# Altium PCB RTD_12POS_WPSv4.PcbDoc (part 2 of 2)
Units mm, origin at the board's own origin, x right, y up, seen from the top; angles counter-clockwise.
Board outline 122.3 x 122.04 mm, 2 copper layers (Top Layer, Bottom Layer); 346 components, 305 nets, 1347 pads, 0 vias.
Unrouted connection lines stored in the file: 1010.
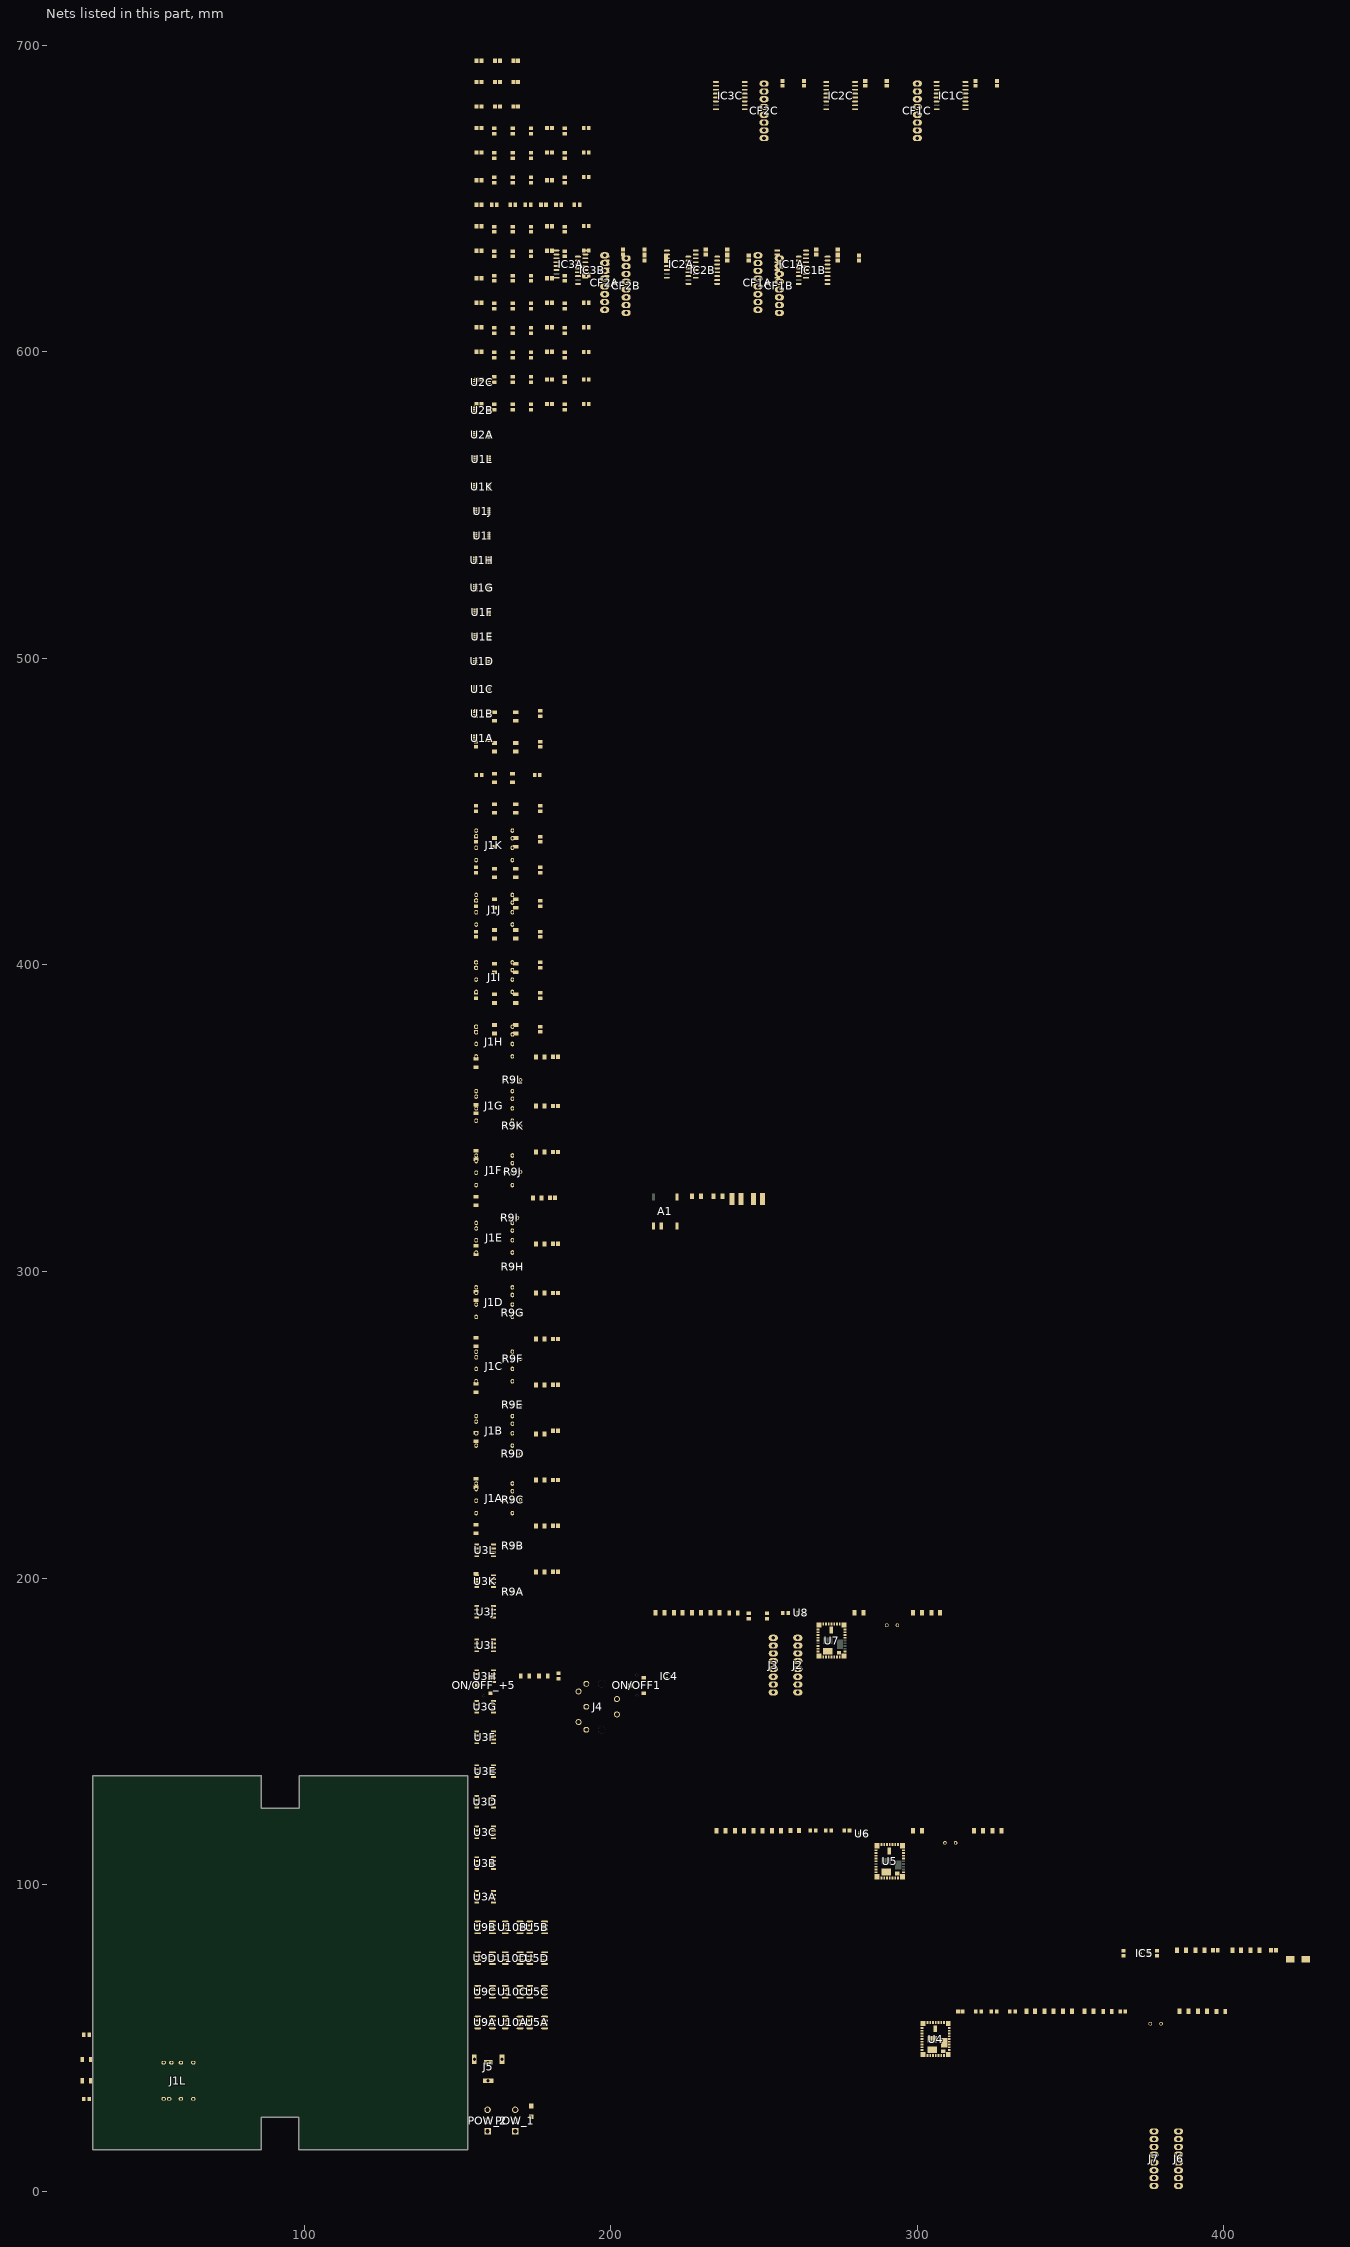
[diagram p2: the nets of this part, all layers, seen from the top]

## Part data
A1: "DC/DC SM 1W 5V-5V SINGLE 4.2KV", Current - Output (Max)=200mA, Device Package="14-SMD Module (5 Leads)", Manufacturer="Murata Power Solutions Inc.", Operating Temperature="-40C ~ 85C", Power (Watts)=1W, Supplier Part Number 1=811-3094-1-ND, Voltage - Input (Max)=5.5V, Voltage - Input (Min)=4.5V, Voltage - Isolation="4.2kV (4200V)", Voltage - Output 1=5V, ComponentLink1Description=Datasheet, ComponentLink1URL=http://power.murata.com/data/power/ncl/kdc_nxj1.pdf, ComponentLink2Description="Digi-Key Listing", ComponentLink2URL=https://www.digikey.com/product-detail/en/murata-power-solutions-inc/NXJ1S0505MC-R7/811-3094-1-ND/5697921, Number Of Outputs=1, PartId=14964, Part Number=NXJ1S0505MC-R7, Price=3.55, Supplier 1=Digi-Key, Type="Isolated Module"
C1A C1B C1C C1D C1E C1F C1G C1H C1I C1J C1K C1L C2A C2B C2C C2D C2E C2F C2G C2H C2I C2J C2K C2L C6A C6B C6C C6D C6E C6F C6G C6H C6I C6J C6K C6L C15A C15B C15C C16A C16B C16C C17A C17B C17C C18A C18B C18C C19A C19B C19C C20A C20B C20C C37 C40: library part CL21B104KACNNNC, "CAP CER 0.1UF 25V X7R 0805", Device Package="0805 (2012 Metric)", Manufacturer="Samsung Electro-Mechanics America, Inc.", Supplier Part Number 1=1276-1099-2-ND, TemperatureCoefficient=X7R, TemperatureRange="-55C ~ 125C", Tolerance=10%, Voltage=25V, ComponentLink1Description=Datasheet, ComponentLink1URL=http://www.samsungsem.com/kr/support/product-search/mlcc/CL21B104KACNNNC.jsp, ComponentLink2Description="Digi-Key listing", ComponentLink2URL=http://digikey.com/product-detail/en/CL21B104KACNNNC/1276-1099-2-ND/3886757, PartId=5699, Part Number=CL21B104KACNNNC, Price=0.0099, Supplier 1=Digi-Key, Type=-
C3A C3B C3C C4A C4B C4C C5A C5B C5C: library part C0805C105J3RACTU, "CAP CER 1UF 25V X7R 0805", Device Package="0805 (2012 Metric)", Manufacturer=Kemet, Supplier Part Number 1=399-10060-2-ND, TemperatureCoefficient=X7R, TemperatureRange="-55C ~ 125C", Tolerance=5%, Voltage=25V, ComponentLink1Description=Datasheet, ComponentLink1URL=http://www.kemet.com/docfinder?Partnumber=C0805C105J3RACTU, ComponentLink2Description="Digi-Key listing", ComponentLink2URL=http://digikey.com/product-detail/en/C0805C105J3RACTU/399-10060-2-ND/2211758, PartId=6145, Part Number=C0805C105J3RACTU, Price=0.355, Supplier 1=Digi-Key, Type=-
C7 C21 C29: library part EEU-FC2A220, "CAP ALUM 22UF 20% 100V RADIAL", Device Package="Radial, Can - TH", Lifetime @ Temp="2000 Hrs @ 105°C", Manufacturer="Panasonic Electronic Components", Ripple Current=169mA, Supplier Part Number 1=P10770-ND, TemperatureRange="-55°C ~ 105°C", Tolerance=20%, Voltage=100V, ComponentLink1Description=Datasheet, ComponentLink1URL=https://industrial.panasonic.com/ww/products/capacitors/aluminum-capacitors/aluminum-cap-lead/fc/EEUFC2A220, ComponentLink2Description="Digi-Key listing", ComponentLink2URL=https://www.digikey.com/product-detail/en/panasonic-electronic-components/EEU-FC2A220/P10770-ND/285722, PartId=7484, Part Number=EEU-FC2A220, Price=0.46, Supplier 1=Digi-Key, Type=Automotive
C8 C9 C22 C23 C30 C31: library part C3216X5R1H475K085AB, "CAP CER 4.7UF 50V X5R 1206", Device Package="1206 (3216 Metric)", Manufacturer="TDK Corporation", Supplier Part Number 1=445-14692-2-ND, TemperatureCoefficient=X5R, TemperatureRange="-55C ~ 85C", Tolerance=10%, Voltage=50V, ComponentLink1Description=Datasheet, ComponentLink1URL=https://product.tdk.com/info/en/catalog/datasheets/mlcc_commercial_general_en.pdf, ComponentLink2Description="Digi-Key Listing", ComponentLink2URL=https://www.digikey.com/product-detail/en/tdk-corporation/C3216X5R1H475K085AB/445-14692-2-ND/3951928, PartId=17022, Part Number=C3216X5R1H475K085AB, Price=0.3159, Supplier 1=Digi-Key
C10 C11 C12 C13 C25 C26 C27 C28 C33 C34 C35 C36 C41 C42: library part CL31A226KAHNNNE, "CAP CER 22UF 25V X5R 1206", Device Package="1206 (3216 Metric)", Manufacturer="Samsung Electro-Mechanics America, Inc.", Supplier Part Number 1=1276-3047-2-ND, TemperatureCoefficient=X5R, TemperatureRange="-55C ~ 85C", Tolerance=10%, Voltage=25V, ComponentLink1Description=Datasheet, ComponentLink1URL=//media.digikey.com/pdf/Data%20Sheets/Samsung%20PDFs/CL31A226KAHNNNE_Spec.pdf, ComponentLink2Description="Digi-Key Listing", ComponentLink2URL=https://www.digikey.com/product-detail/en/samsung-electro-mechanics-america-inc/CL31A226KAHNNNE/1276-3047-2-ND/3888705, PartId=15794, Part Number=CL31A226KAHNNNE, Price=0.1785, Supplier 1=Digi-Key
C14: library part C0805S223K1RAC7800, "CAP CER 0.022UF 100V X7R 0805", Device Package="0805 (2012 Metric)", Manufacturer=Kemet, Supplier Part Number 1=399-13176-2-ND, TemperatureCoefficient=X7R, TemperatureRange="-55C ~ 125C", Tolerance=10%, Voltage=100V, ComponentLink1Description=Datasheet, ComponentLink1URL=http://www.kemet.com/docfinder?Partnumber=C0805S223K1RACTU, ComponentLink2Description="Digi-Key Listing", ComponentLink2URL=https://www.digikey.com/product-detail/en/kemet/C0805S223K1RAC7800/399-13176-2-ND/2213362, PartId=14304, Part Number=C0805S223K1RAC7800, Price=0.071, Supplier 1=Digi-Key
C24 C32 C43: library part CL31B225KCHSNNE, "CAP CER 2.2UF 100V X7R 1206", Device Package="1206 (3216 Metric)", Manufacturer="Samsung Electro-Mechanics America, Inc.", Supplier Part Number 1=1276-3138-2-ND, TemperatureCoefficient=X7R, TemperatureRange="-55C ~ 125C", Tolerance=10%, Voltage=100V, ComponentLink1Description=Datasheet, ComponentLink1URL=http://media.digikey.com/pdf/Data%20Sheets/Samsung%20PDFs/CL31B225KCHSNNE_Spec.pdf, ComponentLink2Description="Digi-Key listing", ComponentLink2URL=http://digikey.com/product-detail/en/CL31B225KCHSNNE/1276-3138-2-ND/3888796, PartId=6260, Part Number=CL31B225KCHSNNE, Price=0.3227, Supplier 1=Digi-Key, Type=-
C38 C39: library part C1206C106M3RACTU, "CAP CER 10UF 25V X7R 1206", Device Package="1206 (3216 Metric)", Manufacturer=Kemet, Supplier Part Number 1=399-7443-2-ND, TemperatureCoefficient=X7R, TemperatureRange="-55C ~ 125C", Tolerance=20%, Voltage=25V, ComponentLink1Description=Datasheet, ComponentLink1URL=http://www.kemet.com/docfinder?Partnumber=C1206C106M3RACTU, ComponentLink2Description="Digi-Key listing", ComponentLink2URL=http://digikey.com/product-detail/en/C1206C106M3RACTU/399-7443-2-ND/3317649, PartId=6235, Part Number=C1206C106M3RACTU, Price=0.2272, Supplier 1=Digi-Key, Type=-
C44: library part CL31B475KPHNNNE, "CAP CER 4.7UF 10V X7R 1206", Device Package="1206 (3216 Metric)", Manufacturer="Samsung Electro-Mechanics America, Inc.", Supplier Part Number 1=1276-1133-2-ND, TemperatureCoefficient=X7R, TemperatureRange="-55C ~ 125C", Tolerance=10%, Voltage=10V, ComponentLink1Description=Datasheet, ComponentLink1URL=http://www.samsungsem.com/kr/front/downloadcms.do?path=/kr/support/product-search/mlcc/__icsFiles/afieldfile/2014/11/05&fileName=C_CL31B475KPHNNNE.pdf, ComponentLink2Description="Digi-Key Listing", ComponentLink2URL=https://www.digikey.com/product-detail/en/samsung-electro-mechanics-america-inc/CL31B475KPHNNNE/1276-1133-2-ND/3886791, PartId=17410, Part Number=CL31B475KPHNNNE, Price=0.0761, Supplier 1=Digi-Key
CF1A CF1B CF1C CF2A CF2B CF2C J2 J3 J6 J7: "CONN HEADER 8POS .100 VERT TIN", Colour=Natural, Manufacturer="Molex, LLC", Supplier Part Number 1=WM4117-ND, ComponentLink1Description=Datasheet, ComponentLink1URL=http://www.molex.com/pdm_docs/sd/022272081_sd.pdf, ComponentLink2Description="Digi-Key Listing", ComponentLink2URL=http://www.digikey.com/product-search/en?keywords=22-27-2081, Contact Finish=Tin, Fastening Type="Friction Lock", Number Of Positions=8, Number Of Rows=1, PartId=9725, Part Number=0022272081, Pitch="0.100\" (2.54mm)", Price=0.55, Series="KK 6410", Supplier 1=Digi-Key, System=Connector, Type="Header, Unshrouded"
D1: "Typical RED, GREEN, YELLOW, AMBER GaAs LED", LatestRevisionDate=17-Jul-2002, LatestRevisionNote="Re-released for DXP Platform.", PackageDescription="SM LED; 2 Flat Leads", PackageReference=3.2X1.6X1.1, PackageVersion=Feb-2002, Published=8-Jun-2000, Publisher="Altium Limited"
IC1A IC1B IC1C IC2A IC2B IC2C IC3A IC3B IC3C: "DGTL ISO 5KV 4CH GEN PURP 16SOIC", Device Package="16-SOIC (0.295\", 7.50mm Width)", Isolated Power=No, Manufacturer="Silicon Labs", Operating Temperature="-40C ~ 125C", Supplier Part Number 1=336-2083-5-ND, Voltage - Isolation=5000Vrms, Voltage - Supply="2.5 V ~ 5.5 V", Channel Type=Unidirectional, Common Mode Transient Immunity (Min)=35kV/us, ComponentLink1Description=Datasheet, ComponentLink1URL=http://www.silabs.com/Support%20Documents/TechnicalDocs/Si864x.pdf, ComponentLink2Description="Digi-Key Listing", ComponentLink2URL=https://www.digikey.com/product-detail/en/silicon-labs/SI8640BD-B-IS/336-2083-5-ND/2623331, Data Rate=150Mbps, Inputs - Side 1/Side2=4/0, Number of Channels=4, PartId=14404, Part Number=SI8640BD-B-IS, Price=5.01, Propagation Delay tpLH/tpHL (Max)="13ns, 13ns", Pulse Width Distortion (Max)=4.5ns, Rise / Fall Time (Typ)="2.5ns, 2.5ns", Supplier 1=Digi-Key, Technology="Capacitive Coupling", Type="General Purpose"
IC4: "MOSFET N-CH 60V 280MA SOT-323", Current Continuous Drain="280mA (Ta)", Device Package="SC-70, SOT-323", Drain to Source Voltage (Vdss)=60V, Input Capacitance (Ciss) at Vds="43pF @ 25V", Manufacturer="Infineon Technologies", Power - Max=500mW, Supplier Part Number 1=BSS138WH6327XTSA1TR-ND, ComponentLink1Description=Datasheet, ComponentLink1URL=http://www.infineon.com/dgdl/Infineon-BSS138W-DS-v02_43-en.pdf?fileId=db3a304335113a6301351e62fcb4131f, ComponentLink2Description="Digi-Key Listing", ComponentLink2URL=http://www.digikey.com/product-detail/en/BSS138WH6327XTSA1/BSS138WH6327XTSA1TR-ND/5410120, Features="Logic Level Gate", Gate Charge (Qg)="1.5nC @ 10V", PartId=8084, Part Number=BSS138WH6327XTSA1, Price=0.0483, Rds On (Max) at Id, Vgs="3.5 Ohm @ 200mA, 10V", Supplier 1=Digi-Key, Type="MOSFET N-Channel, Metal Oxide", Vgs(th) (Max) at Id="1.4V @ 26uA"
IC5: "IC REG BUCK ADJ 3A SYNC", Current Output=3A, Device Package="SOT-23-6 Thin, TSOT-23-6", Frequency - Switching=580kHz, Manufacturer="Texas Instruments", Operating Temperature="-45C ~ 125C (TJ)", Supplier Part Number 1=296-43393-2-ND, Voltage - Input (Max)=17V, Voltage - Input (Min)=4.5V, Voltage - Output (Max)=7V, Voltage - Output (Min/Fixed)=0.768V, ComponentLink1Description=Datasheet, ComponentLink1URL=http://www.ti.com/lit/ds/symlink/tps563201.pdf, ComponentLink2Description="Digi-Key Listing", ComponentLink2URL=http://www.digikey.com/product-detail/en/texas-instruments/TPS563201DDCT/296-43393-2-ND/5813458, Function=Step-Down, Number Of Outputs=1, Output Configuration=Positive, Output Type=Adjustable, PartId=16367, Part Number=TPS563201DDCT, Price=0.8901, Series="D-CAP2, Eco-Mode", Supplier 1=Digi-Key, Synchronous Rectifier=Yes, Topology=Buck, Type="DC DC Switching Regulators"
J1A J1B J1C J1D J1E J1F J1G J1H J1I J1J J1K J1L: library part CMP-1692-00003-1, "Female Mid Mount Audio Jack, 6 Position, Height 2.55 mm, Tail Length 2 mm, -25 to 85 degC, RoHS, Tape and Reel", Case/Package=Axial, Current Rating="7 A", Max Operating Temperature=85degC, Min Operating Temperature=-40degC, Package Quantity=500, ComponentLink1Description="Manufacturer URL", ComponentLink1URL=http://www.cui.com/, ComponentLink2Description=Datasheet, ComponentLink2URL=http://www.cui.com/product/resource/sj-3506-smt.pdf, DatasheetVersion="Rev. 1.01, 11/2012", Diameter="3.6 mm", Height="3.6 mm", Impedance="50 Ohm", Length="5 mm", Mount="Through Hole", PackageDescription="Female Mid Mount Audio Jack, 6 Position, Height 2.55 mm, Tail Length 2 mm", PackageReference=SJ-3506-SMT-TR, Packaging=Bulk, Pins=2, Radiation Hardening=No, REACH SVHC="No SVHC", RoHSCompliant=True, Width="3.6 mm"
J4: "CONN RCPT FMALE DIN 5POS SOLDER", Colour=Black, Manufacturer="CUI Inc.", Supplier Part Number 1=CP-2350-ND, ComponentLink1Description=Datasheet, ComponentLink1URL=https://media.digikey.com/pdf/Data%20Sheets/CUI%20Inc%20All%20Brands%20PDFs/SDS-J.pdf, ComponentLink2Description="Digi-Key Listing", ComponentLink2URL=https://www.digikey.com/product-detail/en/cui-inc/SDS-50J/CP-2350-ND/97033, Contact Finish=Tin, Fastening Type=Push-Pull, Number Of Positions=5, Number Of Rows=-, PartId=16458, Part Number=SDS-50J, Pitch=-, Price=1.86, Supplier 1=Digi-Key, Type="Receptacle, Female Sockets"
J5: library part CMP-2000-06898-1, "Through Hole Right Angle DC Power Jack, 8 A, 2 mm Center Pin, 2 Position, -25 to 85 degC, RoHS, Bulk", Current Rating=8A, Flammability Rating=UL94V-0, Insulation Resistance=100MOhms, Manufacturer=CUIInc., Operating Temperature Range=-25Cto+85C, Package Description="2-Pin Through Hole Device, Body 13 x 10 mm, Height 9 mm", Voltage Rating=24V, Brand=CUI, Connector Type=DCPowerJack, Contact Gender=Male, Contact Material=Copper, Contact Plating=Nickel, Datasheet URL=http://www.cui.com/product/resource/pj-063ah.pdf, Datasheet Version="Rev. 1.02, 03/2016", Factory Pack Quantity=500, Housing Material=PolybutyleneTerephthalate(PBT), Inside Contact Diameter=2mm, Manufacturer URL=http://www.cui.com/, Mounting Angle=Right, Mounting Style=KinkedPin, Mounting Technology=ThroughHole, Outside Contact Diameter=6.5mm, Package Reference=PJ-063AH, Product=Jacks, Product Category=DCPowerConnectors, RoHS=True, Termination Style=ThroughHole
L1: library part 744314330, "FIXED IND 3.3UH 9A 9 MOHM SMD", Current Rating=9A, DC Resistance (DCR)="9 mOhm", Device Package=Nonstandard, Frequency - Self Resonant=65MHz, Manufacturer="Wurth Electronics Inc", Operating Temperature="-40C ~ 150C", Q @ Freq=-, Supplier Part Number 1=732-1160-2-ND, Tolerance=20%, ComponentLink1Description=Datasheet, ComponentLink1URL=http://katalog.we-online.de/pbs/datasheet/744314330.pdf, ComponentLink2Description="Digi-Key Listing", ComponentLink2URL=https://www.digikey.com/product-detail/en/744314330/732-1160-2-ND/1638565, Inductance=3.3uH, PartId=9675, Part Number=744314330, Price=2.85, Series=WE-HCI, Shielding=Shielded, Supplier 1=Digi-Key, Type=Wirewound
L2: "FIXED IND 4.7UH 1.43A 87 MOHM", Current - Saturation=1.43A, DC Resistance (DCR)="87 mOhm Max", Device Package=Nonstandard, Inductance=4.7uH, Manufacturer="TDK Corporation", Operating Temperature="-40C ~ 105C", Supplier Part Number 1=445-8737-2-ND, Tolerance=30%, ComponentLink1Description=Datasheet, ComponentLink1URL=https://product.tdk.com/info/en/catalog/datasheets/inductor_commercial_power_vlcf4024-2_en.pdf, ComponentLink2Description="Digi-Key Listing", ComponentLink2URL=https://www.digikey.com/product-detail/en/tdk-corporation/VLCF4024T-4R7N1R4-2/445-8737-2-ND/3083279, Current Rating=1.43A, Material - Core=Ferrite, PartId=16432, Part Number=VLCF4024T-4R7N1R4-2, Price=0.441, Series=VLCF, Shielding=Shielded, Supplier 1=Digi-Key, Type=Wirewound
L3: "FIXED IND 10UH 900MA 136 MOHM", Current - Saturation=900mA, DC Resistance (DCR)="136 mOhm Max", Device Package=Nonstandard, Inductance=10uH, Manufacturer="TDK Corporation", Operating Temperature="-40C ~ 105C", Supplier Part Number 1=445-8727-2-ND, Tolerance=20%, ComponentLink1Description=Datasheet, ComponentLink1URL=https://product.tdk.com/info/en/catalog/datasheets/inductor_commercial_power_vlcf4024-2_en.pdf, ComponentLink2Description="Digi-Key Listing", ComponentLink2URL=https://www.digikey.com/product-detail/en/tdk-corporation/VLCF4024T-100MR90-2/445-8727-2-ND/3083281, Current Rating=900mA, Material - Core=Ferrite, PartId=16429, Part Number=VLCF4024T-100MR90-2, Price=0.441, Series=VLCF, Shielding=Shielded, Supplier 1=Digi-Key, Type=Wirewound
ON/OFF1 ON/OFF_+5: "SWITCH SLIDE SPDT 200MA 12V", Manufacturer="Nidec Copal Electronics", Operating Temperature="-40°C ~ 85°C", Supplier Part Number 1=563-1318-1-ND, Actuator Type=Standard, Circuit=SPDT, ComponentLink1Description=Datasheet, ComponentLink1URL=https://www.nidec-copal-electronics.com/e/catalog/switch/cl-sb.pdf, ComponentLink2Description="Digi-Key Listing", ComponentLink2URL=https://www.digikey.com/product-detail/en/nidec-copal-electronics/CL-SB-12B-01T/563-1318-1-ND/3507878, Mechanical Life="10,000 Cycles", PartId=16472, Part Number=CL-SB-12B-01T, Price=0.9, Series=CL-SB, Supplier 1=Digi-Key, Switch Function=On-On, Switch Travel=2.00mm, Type="Slide Switches"
POW_1 POW_2: library part CMP-1502-01784-1, "Serie 3211 - 3.50mm Vertical PCB Header WR-TBL, 3 pin", Manufacturer="Wurth Elektronik", Operating Temperature=-40to105degC, Datasheet URL=http://katalog.we-online.de/em/datasheet/6913211000xx.pdf, Gender=Male, Manufacturer URL=http://www.we-online.de, Mounting Technology=THT, Package Reference=691321100003, Packaging=Box, Part Number=691321100003, Pin Number=3, Pitch=3.50mm, Publisher=WurthElektronik
R1A R1B R1C R1D R1E R1F R1G R1H R1I R1J R1K R1L R2A R2B R2C R2D R2E R2F R2G R2H R2I R2J R2K R2L: library part ERA-6AEB4991V, "RES SMD 4.99K OHM 0.1% 1/8W 0805", Device Package="0805 (2012 Metric)", Manufacturer="Panasonic Electronic Components", PowerRating="0.125W, 1/8W", Supplier Part Number 1=P4.99KDATR-ND, TemperatureCoefficient=25ppm/C, TemperatureRange="-55C ~ 155C", Tolerance=0.1%, ComponentLink1Description=Datasheet, ComponentLink1URL=http://industrial.panasonic.com/lecs/www-data/pdf/AOA0000/AOA0000CE26.pdf, ComponentLink2Description="Digi-Key listing", ComponentLink2URL=http://digikey.com/product-detail/en/ERA-6AEB4991V/P4.99KDATR-ND/2025726, PartId=2457, Part Number=ERA-6AEB4991V, Price=0.0653, Supplier 1=Digi-Key, Type="Thin Film"
R3A R3B R3C R3D R3E R3F R3G R3H R3I R3J R3K R3L: library part ERA-6AEB1180V, "RES SMD 118 OHM 0.1% 1/8W 0805", Device Package="0805 (2012 Metric)", Manufacturer="Panasonic Electronic Components", PowerRating="0.125W, 1/8W", Supplier Part Number 1=P118DATR-ND, TemperatureCoefficient=25ppm/C, TemperatureRange="-55C ~ 155C", Tolerance=0.1%, ComponentLink1Description=Datasheet, ComponentLink1URL=http://industrial.panasonic.com/lecs/www-data/pdf/AOA0000/AOA0000CE26.pdf, ComponentLink2Description="Digi-Key listing", ComponentLink2URL=http://digikey.com/product-detail/en/ERA-6AEB1180V/P118DATR-ND/2025579, PartId=2788, Part Number=ERA-6AEB1180V, Price=0.0653, Supplier 1=Digi-Key, Type="Thin Film"
R4A R4B R4C R4D R4E R4F R4G R4H R4I R4J R4K R4L: library part ERA-6AEB1070V, "RES SMD 107 OHM 0.1% 1/8W 0805", Device Package="0805 (2012 Metric)", Manufacturer="Panasonic Electronic Components", PowerRating="0.125W, 1/8W", Supplier Part Number 1=P107DATR-ND, TemperatureCoefficient=25ppm/C, TemperatureRange="-55C ~ 155C", Tolerance=0.1%, ComponentLink1Description=Datasheet, ComponentLink1URL=http://industrial.panasonic.com/lecs/www-data/pdf/AOA0000/AOA0000CE26.pdf, ComponentLink2Description="Digi-Key listing", ComponentLink2URL=http://digikey.com/product-detail/en/ERA-6AEB1070V/P107DATR-ND/2025576, PartId=2810, Part Number=ERA-6AEB1070V, Price=0.0653, Supplier 1=Digi-Key, Type="Thin Film"
R5A R5B R5C R5D R5E R5F R5G R5H R5I R5J R5K R5L: library part ERA-6AEB1022V, "RES SMD 10.2K OHM 0.1% 1/8W 0805", Device Package="0805 (2012 Metric)", Manufacturer="Panasonic Electronic Components", PowerRating="0.125W, 1/8W", Supplier Part Number 1=P10.2KDATR-ND, TemperatureCoefficient=25ppm/C, TemperatureRange="-55C ~ 155C", Tolerance=0.1%, ComponentLink1Description=Datasheet, ComponentLink1URL=http://industrial.panasonic.com/lecs/www-data/pdf/AOA0000/AOA0000CE26.pdf, ComponentLink2Description="Digi-Key listing", ComponentLink2URL=http://digikey.com/product-detail/en/ERA-6AEB1022V/P10.2KDATR-ND/2025754, PartId=2668, Part Number=ERA-6AEB1022V, Price=0.0653, Supplier 1=Digi-Key, Type="Thin Film"
R6A R6B R6C R6D R6E R6F R6G R6H R6I R6J R6K R6L R7A R7B R7C R7D R7E R7F R7G R7H R7I R7J R7K R7L R14 R15: library part ERJ-6ENF1582V, "RES SMD 15.8K OHM 1% 1/8W 0805", Device Package="0805 (2012 Metric)", Manufacturer="Panasonic Electronic Components", PowerRating="0.125W, 1/8W", Supplier Part Number 1=P15.8KCTR-ND, TemperatureCoefficient=100ppm/C, TemperatureRange="-55C ~ 155C", Tolerance=1%, ComponentLink1Description=Datasheet, ComponentLink1URL=http://industrial.panasonic.com/www-cgi/jvcr13pz.cgi?E+PZ+3+AOA0002+ERJ6ENF1582V+7+WW, ComponentLink2Description="Digi-Key listing", ComponentLink2URL=http://digikey.com/product-detail/en/ERJ-6ENF1582V/P15.8KCTR-ND/6419, PartId=2101, Part Number=ERJ-6ENF1582V, Price=0.0073, Supplier 1=Digi-Key, Type="Thick Film"